# Altium PCB Archimajor.PcbDoc (part 11 of 13) (continued)
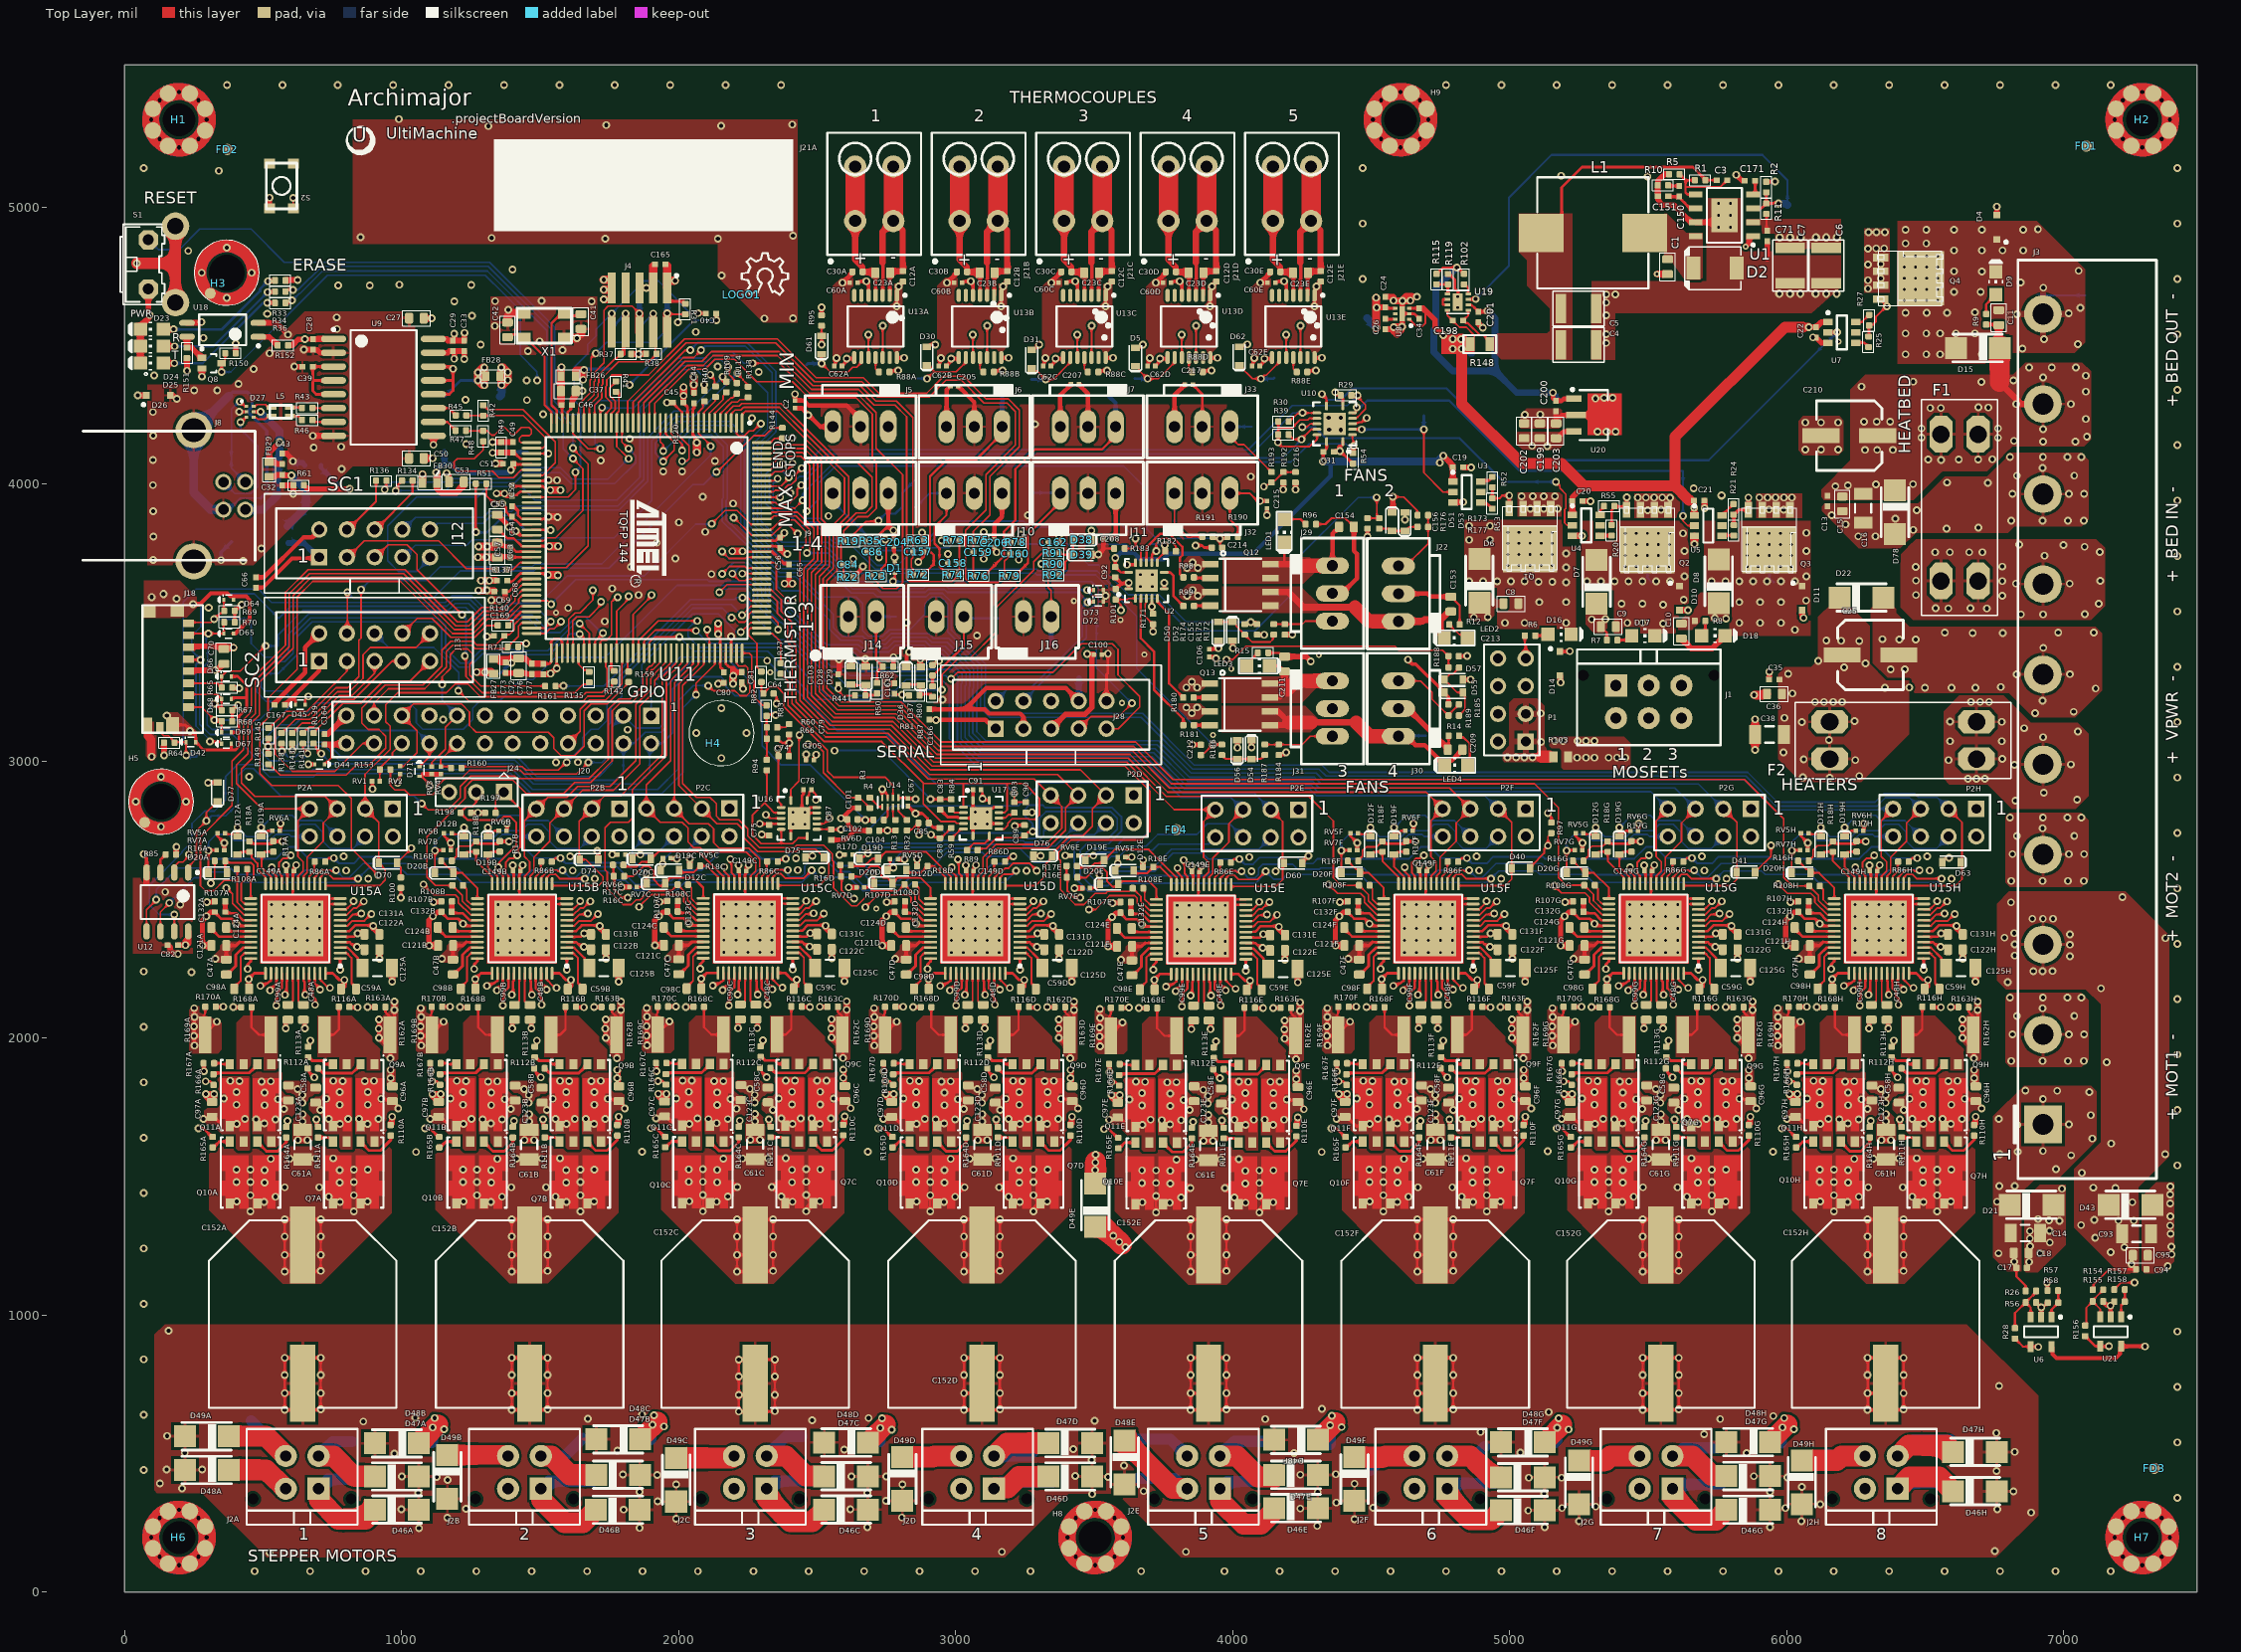
[diagram p0: Top Layer view]
## Polygon pours and split planes (outlines as drawn) (continued)
VMOTA on Top Layer "Direct Connect" (solid, remove dead copper, pour order 2694): 1134.91,1609.38 1122.91,1597.38 1122.91,1380.31 1229.91,1273.31 1389.1,1114.13 1527.71,1114.13 1782.91,1369.33 1782.91,1598.38 1769.91,1611.38
GND on Top Layer "24milConnect" (solid, remove dead copper, pour order 2692): 108.19,928.75 108.19,366.83 117.78,357.24 280.8,357.24 513.24,124.8 3177.72,124.8 3407.82,354.9 3583.32,354.9 3813.42,124.8 6755.58,124.8 6907.68,276.9 6907.68,708.24 6650.28,965.64 145.08,965.64
HTR2 on Top Layer "DirectConnect" (solid, pour order 2601): 5647.12,3866.5 5259.12,3866.5 5259.12,3617.5 5376.69,3617.5 5376.69,3460.02 5647.12,3460.02 5647.12,3867.5
VPWR on Top Layer "DirectConnect" (solid, remove dead copper, pour order 2600): 5608.97,3473.79 5659.17,3473.79 5690.66,3505.29 5779.24,3505.29 5794.01,3520.05 5794.01,3581.08 5766.45,3608.64 5689.68,3608.64 5677.87,3596.83 5677.87,3560.41 5645.39,3527.93 5638.5,3527.93 5608.97,3498.4
GND on Top Layer "Direct Connect" (solid, remove dead copper, pour order 2487): 17 vertices, not listed, extent 2556.69,4440.33 2808.99,4743.26
GND on Top Layer "Direct Connect" (solid, remove dead copper, pour order 2486): 17 vertices, not listed, extent 4070.04,4437.46 4322.34,4740.4
GND on Top Layer "Direct Connect" (solid, remove dead copper, pour order 2485): 17 vertices, not listed, extent 3688.62,4436.89 3940.92,4739.82
GND on Top Layer "Direct Connect" (solid, remove dead copper, pour order 2484): 17 vertices, not listed, extent 3312.66,4438.42 3564.96,4741.35
GND on Top Layer "Direct Connect" (solid, remove dead copper, pour order 2483): 17 vertices, not listed, extent 2933.69,4441.33 3185.99,4744.26
VMOTA on Top Layer "Direct Connect" (solid, remove dead copper, pour order 2481): 317,1607.53 305,1595.53 305,1378.46 412,1271.46 571.18,1112.28 709.8,1112.28 965,1367.48 965,1596.53 952,1609.53
OBAA on Top Layer "Direct Connect" (solid, remove dead copper, pour order 2473): 17 vertices, not listed, extent 832,1593.53 986,1878.53
OBAH on Top Layer "Direct Connect" (solid, remove dead copper, pour order 2472): 17 vertices, not listed, extent 6547.57,1593.53 6701.57,1878.53
OBAG on Top Layer "Direct Connect" (solid, remove dead copper, pour order 2471): 17 vertices, not listed, extent 5734.57,1593.53 5888.57,1878.53
OBAF on Top Layer "Direct Connect" (solid, remove dead copper, pour order 2470): 17 vertices, not listed, extent 4921.57,1593.53 5075.57,1878.53
OBAC on Top Layer "Direct Connect" (solid, remove dead copper, pour order 2469): 17 vertices, not listed, extent 2465.18,1594.49 2619.18,1879.49
OBAE on Top Layer "Direct Connect" (solid, remove dead copper, pour order 2468): 17 vertices, not listed, extent 4101.01,1590.55 4255.01,1875.55
OBAD on Top Layer "Direct Connect" (solid, remove dead copper, pour order 2467): 17 vertices, not listed, extent 3285.74,1593.53 3439.74,1878.53
OBAB on Top Layer "Direct Connect" (solid, remove dead copper, pour order 2466): 17 vertices, not listed, extent 1649.91,1593.53 1803.91,1878.53
OBBA on Top Layer "Direct Connect" (solid, remove dead copper, pour order 2465): 823.52,1860.37 823.52,1597.53 782,1597.53 703.52,1676.01 703.52,1703.53 702.52,1704.53 666.69,1740.35 666.69,1797.7 672.52,1803.53 704.52,1803.53 713.52,1812.53 713.52,1860.53
OBBH on Top Layer "Direct Connect" (solid, remove dead copper, pour order 2464): 6539.09,1860.37 6539.09,1597.53 6497.57,1597.53 6419.09,1676.01 6419.09,1703.53 6418.09,1704.53 6382.26,1740.35 6382.26,1797.7 6388.09,1803.53 6420.09,1803.53 6429.09,1812.53 6429.09,1860.53
OBBG on Top Layer "Direct Connect" (solid, remove dead copper, pour order 2463): 5726.09,1860.37 5726.09,1597.53 5684.57,1597.53 5606.09,1676.01 5606.09,1703.53 5605.09,1704.53 5569.26,1740.35 5569.26,1797.7 5575.09,1803.53 5607.09,1803.53 5616.09,1812.53 5616.09,1860.53
OBBF on Top Layer "Direct Connect" (solid, remove dead copper, pour order 2462): 4913.09,1860.37 4913.09,1597.53 4871.57,1597.53 4793.09,1676.01 4793.09,1703.53 4792.09,1704.53 4756.26,1740.35 4756.26,1797.7 4762.09,1803.53 4794.09,1803.53 4803.09,1812.53 4803.09,1860.53
OBBC on Top Layer "Direct Connect" (solid, remove dead copper, pour order 2461): 2456.7,1861.33 2456.7,1598.49 2415.18,1598.49 2336.7,1676.97 2336.7,1704.49 2335.7,1705.49 2299.88,1741.31 2299.88,1798.66 2305.7,1804.49 2337.7,1804.49 2346.7,1813.49 2346.7,1861.49
OBBE on Top Layer "Direct Connect" (solid, remove dead copper, pour order 2460): 4092.53,1857.4 4092.53,1594.55 4051.01,1594.55 3972.53,1673.03 3972.53,1700.55 3971.53,1701.55 3935.7,1737.38 3935.7,1794.72 3941.53,1800.55 3973.53,1800.55 3982.53,1809.55 3982.53,1857.55
OBBD on Top Layer "Direct Connect" (solid, remove dead copper, pour order 2459): 3277.26,1860.37 3277.26,1597.53 3235.74,1597.53 3157.26,1676.01 3157.26,1703.53 3156.26,1704.53 3120.43,1740.35 3120.43,1797.7 3126.26,1803.53 3158.26,1803.53 3167.26,1812.53 3167.26,1860.53
OBBB on Top Layer "Direct Connect" (solid, remove dead copper, pour order 2458): 1641.43,1860.37 1641.43,1597.53 1599.91,1597.53 1521.43,1676.01 1521.43,1703.53 1520.43,1704.53 1484.61,1740.35 1484.61,1797.7 1490.43,1803.53 1522.43,1803.53 1531.43,1812.53 1531.43,1860.53
OAAA on Top Layer "Direct Connect" (solid, remove dead copper, pour order 2457): 459,1877.46 459,1650.53 512,1597.53 559,1597.53 579,1617.53 579,1703.53 580,1704.53 601.83,1704.53 615.83,1718.53 615.83,1797.7 610,1803.53 578,1803.53 569,1812.53 569,1877.61
OAAH on Top Layer "Direct Connect" (solid, remove dead copper, pour order 2456): 6174.57,1877.46 6174.57,1650.53 6227.57,1597.53 6274.57,1597.53 6294.57,1617.53 6294.57,1703.53 6295.57,1704.53 6317.39,1704.53 6331.39,1718.53 6331.39,1797.7 6325.57,1803.53 6293.57,1803.53 6284.57,1812.53 6284.57,1877.61
OAAG on Top Layer "Direct Connect" (solid, remove dead copper, pour order 2455): 5361.57,1877.46 5361.57,1650.53 5414.57,1597.53 5461.57,1597.53 5481.57,1617.53 5481.57,1703.53 5482.57,1704.53 5504.39,1704.53 5518.39,1718.53 5518.39,1797.7 5512.57,1803.53 5480.57,1803.53 5471.57,1812.53 5471.57,1877.61
OAAF on Top Layer "Direct Connect" (solid, remove dead copper, pour order 2454): 4548.57,1877.46 4548.57,1650.53 4601.57,1597.53 4648.57,1597.53 4668.57,1617.53 4668.57,1703.53 4669.57,1704.53 4691.39,1704.53 4705.39,1718.53 4705.39,1797.7 4699.57,1803.53 4667.57,1803.53 4658.57,1812.53 4658.57,1877.61
OAAC on Top Layer "Direct Connect" (solid, remove dead copper, pour order 2453): 2092.18,1878.41 2092.18,1651.49 2145.18,1598.49 2192.18,1598.49 2212.18,1618.49 2212.18,1704.49 2213.18,1705.49 2235.01,1705.49 2249.01,1719.49 2249.01,1798.66 2243.18,1804.49 2211.18,1804.49 2202.18,1813.49 2202.18,1878.57
OAAE on Top Layer "Direct Connect" (solid, remove dead copper, pour order 2452): 3728.01,1874.48 3728.01,1647.55 3781.01,1594.55 3828.01,1594.55 3848.01,1614.55 3848.01,1700.55 3849.01,1701.55 3870.84,1701.55 3884.84,1715.55 3884.84,1794.72 3879.01,1800.55 3847.01,1800.55 3838.01,1809.55 3838.01,1874.63
OAAD on Top Layer "Direct Connect" (solid, remove dead copper, pour order 2451): 2912.74,1877.46 2912.74,1650.53 2965.74,1597.53 3012.74,1597.53 3032.74,1617.53 3032.74,1703.53 3033.74,1704.53 3055.57,1704.53 3069.57,1718.53 3069.57,1797.7 3063.74,1803.53 3031.74,1803.53 3022.74,1812.53 3022.74,1877.61
OAAB on Top Layer "Direct Connect" (solid, remove dead copper, pour order 2450): 1276.91,1877.46 1276.91,1650.53 1329.91,1597.53 1376.91,1597.53 1396.91,1617.53 1396.91,1703.53 1397.91,1704.53 1419.74,1704.53 1433.74,1718.53 1433.74,1797.7 1427.91,1803.53 1395.91,1803.53 1386.91,1812.53 1386.91,1877.61
OABA on Top Layer "Direct Connect" (solid, remove dead copper, pour order 2449): 452,1860.53 339,1860.53 336,1857.53 336,1755.53 328,1747.53 298.9,1747.53 288,1736.63 288,1698.53 297,1689.53 324.9,1689.53 333,1681.42 333,1670.53 410,1593.53 450,1593.53 452,1595.53
OABH on Top Layer "Direct Connect" (solid, remove dead copper, pour order 2448): 6167.57,1860.53 6054.57,1860.53 6051.57,1857.53 6051.57,1755.53 6043.57,1747.53 6014.46,1747.53 6003.57,1736.63 6003.57,1698.53 6012.57,1689.53 6040.46,1689.53 6048.57,1681.42 6048.57,1670.53 6125.57,1593.53 6165.57,1593.53 6167.57,1595.53
OABG on Top Layer "Direct Connect" (solid, remove dead copper, pour order 2447): 5354.57,1860.53 5241.57,1860.53 5238.57,1857.53 5238.57,1755.53 5230.57,1747.53 5201.46,1747.53 5190.57,1736.63 5190.57,1698.53 5199.57,1689.53 5227.46,1689.53 5235.57,1681.42 5235.57,1670.53 5312.57,1593.53 5352.57,1593.53 5354.57,1595.53
OABF on Top Layer "Direct Connect" (solid, remove dead copper, pour order 2446): 4541.57,1860.53 4428.57,1860.53 4425.57,1857.53 4425.57,1755.53 4417.57,1747.53 4388.46,1747.53 4377.57,1736.63 4377.57,1698.53 4386.57,1689.53 4414.46,1689.53 4422.57,1681.42 4422.57,1670.53 4499.57,1593.53 4539.57,1593.53 4541.57,1595.53
OABC on Top Layer "Direct Connect" (solid, remove dead copper, pour order 2445): 2085.18,1861.49 1972.18,1861.49 1969.18,1858.49 1969.18,1756.49 1961.18,1748.49 1932.08,1748.49 1921.18,1737.59 1921.18,1699.49 1930.18,1690.49 1958.08,1690.49 1966.18,1682.38 1966.18,1671.49 2043.18,1594.49 2083.18,1594.49 2085.18,1596.49
OABE on Top Layer "Direct Connect" (solid, remove dead copper, pour order 2444): 3721.01,1857.55 3608.01,1857.55 3605.01,1854.55 3605.01,1752.55 3597.01,1744.55 3567.91,1744.55 3557.01,1733.65 3557.01,1695.55 3566.01,1686.55 3593.91,1686.55 3602.01,1678.45 3602.01,1667.55 3679.01,1590.55 3719.01,1590.55 3721.01,1592.55
OABD on Top Layer "Direct Connect" (solid, remove dead copper, pour order 2443): 2905.74,1860.53 2792.74,1860.53 2789.74,1857.53 2789.74,1755.53 2781.74,1747.53 2752.64,1747.53 2741.74,1736.63 2741.74,1698.53 2750.74,1689.53 2778.64,1689.53 2786.74,1681.42 2786.74,1670.53 2863.74,1593.53 2903.74,1593.53 2905.74,1595.53
OABB on Top Layer "Direct Connect" (solid, remove dead copper, pour order 2442): 1269.91,1860.53 1156.91,1860.53 1153.91,1857.53 1153.91,1755.53 1145.91,1747.53 1116.81,1747.53 1105.91,1736.63 1105.91,1698.53 1114.91,1689.53 1142.81,1689.53 1150.91,1681.42 1150.91,1670.53 1227.91,1593.53 1267.91,1593.53 1269.91,1595.53
NetQ9A_1 on Top Layer "Direct Connect" (solid, remove dead copper, pour order 2420): 895,2004.53 895,1987.53 924,1958.53 924,1883.53 706,1883.53 697,1892.53 697,2079.53 820,2079.53
NetQ9H_1 on Top Layer "Direct Connect" (solid, remove dead copper, pour order 2419): 6610.57,2004.53 6610.57,1987.53 6639.57,1958.53 6639.57,1883.53 6421.57,1883.53 6412.57,1892.53 6412.57,2079.53 6535.57,2079.53
NetQ9G_1 on Top Layer "Direct Connect" (solid, remove dead copper, pour order 2418): 5797.57,2004.53 5797.57,1987.53 5826.57,1958.53 5826.57,1883.53 5608.57,1883.53 5599.57,1892.53 5599.57,2079.53 5722.57,2079.53
NetQ9F_1 on Top Layer "Direct Connect" (solid, remove dead copper, pour order 2417): 4984.57,2004.53 4984.57,1987.53 5013.57,1958.53 5013.57,1883.53 4795.57,1883.53 4786.57,1892.53 4786.57,2079.53 4909.57,2079.53
NetQ9E_1 on Top Layer "Direct Connect" (solid, remove dead copper, pour order 2416): 4164.01,2001.55 4164.01,1984.55 4193.01,1955.55 4193.01,1880.55 3975.01,1880.55 3966.01,1889.55 3966.01,2076.55 4089.01,2076.55
NetQ9C_1 on Top Layer "Direct Connect" (solid, remove dead copper, pour order 2415): 2528.18,2005.49 2528.18,1988.49 2557.18,1959.49 2557.18,1884.49 2339.18,1884.49 2330.18,1893.49 2330.18,2080.49 2453.18,2080.49
NetQ9D_1 on Top Layer "Direct Connect" (solid, remove dead copper, pour order 2414): 3348.74,2004.53 3348.74,1987.53 3377.74,1958.53 3377.74,1883.53 3159.74,1883.53 3150.74,1892.53 3150.74,2079.53 3273.74,2079.53
NetQ9B_1 on Top Layer "Direct Connect" (solid, remove dead copper, pour order 2413): 1712.91,2004.53 1712.91,1987.53 1741.91,1958.53 1741.91,1883.53 1523.91,1883.53 1514.91,1892.53 1514.91,2079.53 1637.91,2079.53
NetQ11A_1 on Top Layer "Direct Connect" (solid, remove dead copper, pour order 2412): 405,1883.53 544,1883.53 553,1892.53 553,2079.53 430,2079.53 405,2054.53
NetQ11H_1 on Top Layer "Direct Connect" (solid, remove dead copper, pour order 2411): 6120.57,1883.53 6259.57,1883.53 6268.57,1892.53 6268.57,2079.53 6145.57,2079.53 6120.57,2054.53
NetQ11G_1 on Top Layer "Direct Connect" (solid, remove dead copper, pour order 2410): 5307.57,1883.53 5446.57,1883.53 5455.57,1892.53 5455.57,2079.53 5332.57,2079.53 5307.57,2054.53
NetQ11F_1 on Top Layer "Direct Connect" (solid, remove dead copper, pour order 2409): 4494.57,1883.53 4633.57,1883.53 4642.57,1892.53 4642.57,2079.53 4519.57,2079.53 4494.57,2054.53
NetQ11C_1 on Top Layer "Direct Connect" (solid, remove dead copper, pour order 2408): 2038.18,1884.49 2177.18,1884.49 2186.18,1893.49 2186.18,2080.49 2063.18,2080.49 2038.18,2055.49
NetQ11E_1 on Top Layer "Direct Connect" (solid, remove dead copper, pour order 2407): 3674.01,1880.55 3813.01,1880.55 3822.01,1889.55 3822.01,2076.55 3699.01,2076.55 3674.01,2051.55
NetQ11D_1 on Top Layer "Direct Connect" (solid, remove dead copper, pour order 2406): 2858.74,1883.53 2997.74,1883.53 3006.74,1892.53 3006.74,2079.53 2883.74,2079.53 2858.74,2054.53
NetQ11B_1 on Top Layer "Direct Connect" (solid, remove dead copper, pour order 2405): 1222.91,1883.53 1361.91,1883.53 1370.91,1892.53 1370.91,2079.53 1247.91,2079.53 1222.91,2054.53
GND on Top Layer "uC Top Under Part" (solid, pour order 2354): 1525.23,3444.54 2245.04,3444.78 2245.04,4164.49 1525.23,4164.59
GND on Top Layer "12MHz XTAL GND" (solid, pour order 2349): 1321.76,4677.42 1321.76,4466.1 1418.13,4466.1 1706.37,4466.1 1706.37,4561.59 1706.37,4676.54 1321.76,4676.54
HTBD-OUT on Top Layer "DirectConnect" (solid, pour order 2331): 6401,4433 6739.88,4433 6739.88,4542.25 6829.44,4542.25 6829.44,4948.97 6401,4948.97 6401,4906.97
HTR3 on Top Layer "DirectConnect" (solid, pour order 2330): 6086.11,3866.5 5827.11,3866.5 5701.11,3866.5 5701.11,3623.5 5794.01,3623.5 5794.01,3452.14 6086.11,3452.14
USB_GND on Top Layer "USB Shield" (solid, pour order 2328): 466,3706.53 824,4064.53 1035,4064.53 1048,4077.53 1048,4083.53 1048,4610.53 1036,4622.53 650.83,4622.53 385.83,4357.53 83,4357.53 83,4153.53 83,3706.53
GND on Top Layer "FlashGND" (solid, remove dead copper, pour order 2327): 31.72,2577.59 247.27,2577.59 247.27,2304.95 31.72,2304.95
HTBD-OUT on Top Layer "Connect" (solid, remove dead copper, pour order 2610): 6802.7,4473.83 7040.28,4473.83 7077.47,4511.02 7077.48,4774.53 6903.04,4948.97 6803.85,4948.97
GND on Top Layer "DirectConnect" (solid, remove dead copper, pour order 2690): 2428.92,4582.25 2428.92,5315.7 825.24,5315.7 825.24,4866.95 2141.88,4866.95 2141.88,4745.27 2304.9,4582.25
GND on Top Layer "DirectConnect" (solid, remove dead copper, pour order 2670): 6042.66,4120.49 6059.04,4104.11 6186.96,4104.11 6204.9,4122.05 6204.9,4229.69 6190.08,4244.51 6059.04,4244.51 6042.66,4228.13
VMOTE on Top Layer "DirectConnect" (solid, remove dead copper, pour order 2668): 6745.44,1717.31 6855.42,1827.29 7098,1827.29 7117.5,1807.79 7117.5,1629.17 6978.66,1490.33 6895.2,1490.33 6838.26,1433.39 6772.74,1433.39 6745.44,1460.69
VMOTA on Top Layer "DirectConnect" (solid, remove dead copper, pour order 2666): 17 vertices, not listed, extent 6758.7,1148.69 7380.36,2529.29
GND on Top Layer "DirectConnect" (solid, remove dead copper, pour order 2664): 6126.9,3919.25 6137.04,3929.39 6474,3929.39 6570.72,4026.11 6723.6,4026.11 6794.58,4097.09 6803.94,4087.73 6803.94,3884.93 6827.34,3861.53 6827.34,3852.17 6799.26,3824.09 6466.2,3824.09 6410.04,3767.93 6261.06,3767.93 6126.9,3902.09
VBED on Top Layer "DirectConnect" (solid, remove dead copper, pour order 2660): 18 vertices, not listed, extent 6125.34,3941.87 7098,4437.95
VPWR on Top Layer "DirectConnect" (solid, remove dead copper, pour order 2658): 5025.12,4143.5 5046.12,4122.5 5175.12,4122.5 5194.12,4141.5 5194.12,4180.5 5187.12,4187.5 5029.12,4187.5 5025.12,4183.5
GND on Top Layer "DirectConnect" (solid, remove dead copper, pour order 2654): 6789.9,3862.05 6805.5,3846.45 7065.24,3846.45 7090.2,3871.41 7090.2,4085.91 7062.9,4113.21 6804.72,4113.21 6789.9,4098.39
GND on Top Layer "DirectConnect" (solid, remove dead copper, pour order 2650): 6789.9,1911.27 6805.5,1895.67 7065.24,1895.67 7090.2,1920.63 7090.2,2135.13 7062.9,2162.43 6804.72,2162.43 6789.9,2147.61
GND on Top Layer "DirectConnect" (solid, remove dead copper, pour order 2648): 6789.9,2561.27 6805.5,2545.67 7065.24,2545.67 7090.2,2570.63 7090.2,2785.13 7062.9,2812.43 6804.72,2812.43 6789.9,2797.61
VBED_IN on Top Layer "NetF1_1 Fuse Top Pour" (solid, remove dead copper, pour order 2642): 6411.6,3686.81 6411.6,3553.43 6456.06,3508.97 7098.78,3508.97 7148.7,3558.89 7148.7,3768.71 7116.72,3800.69 6466.2,3800.69 6412.38,3746.87
VPWR_IN on Top Layer "DirectConnect" (solid, remove dead copper, pour order 2634): 6566.82,3179.03 6623.76,3235.97 6782.88,3235.97 6881.16,3137.69 7049.64,3137.69 7089.42,3097.91 7089.42,2873.27 7042.62,2826.47 6814.08,2826.47 6725.16,2915.39 6587.1,2915.39 6566.82,2935.67
GND on Top Layer "DirectConnect" (solid, remove dead copper, pour order 2632): 18 vertices, not listed, extent 6304.13,3157.19 7137.78,3573.82
VPWR on Top Layer "DirectConnect" (solid, remove dead copper, pour order 2630): 6269.64,2924.75 6442.02,3097.13 6442.02,3290.57 6359.34,3290.57 6299.28,3350.63 6299.28,3488.12 6216.54,3570.87 6164.37,3570.87 6113.64,3520.14 6113.64,3364.67 6087.12,3338.15 5993.52,3338.15 5969.34,3313.97 5969.34,3007.43 6052.02,2924.75
GND on Top Layer "DirectConnect" (solid, remove dead copper, pour order 2628): 3807.85,3681.21 3885.85,3681.21 3906.91,3702.27 3906.91,3713.97 3881.95,3738.93 3839.05,3738.93 3807.85,3707.73
GND on Top Layer "DirectConnect" (solid, remove dead copper, pour order 2626): 3807.85,3581.21 3885.85,3581.21 3906.91,3602.27 3906.91,3613.97 3881.95,3638.93 3839.05,3638.93 3807.85,3607.73
GND on Top Layer "DirectConnect" (solid, remove dead copper, pour order 2624): 3805.38,3250.06 3883.38,3250.06 3904.44,3271.12 3904.44,3282.82 3879.48,3307.78 3836.58,3307.78 3805.38,3276.58
GND on Top Layer "DirectConnect" (solid, remove dead copper, pour order 2622): 3805.38,3208.21 3883.38,3208.21 3904.44,3187.15 3904.44,3175.45 3879.48,3150.49 3836.58,3150.49 3805.38,3181.69
GND on Top Layer "Direct Connect" (solid, remove dead copper, pour order 2364): 71,3651.53 200,3651.53 260,3591.53 260,3554.53 222.45,3516.98 71,3516.98
VMOTA on Top Layer "DirectConnect" (solid, remove dead copper, pour order 2618): 7210.08,1475.05 7272.48,1412.65 7272.48,1159.93 7265.46,1152.91 7217.1,1152.91 7093.86,1276.15 7093.86,1475.05
VMOTE on Top Layer "DirectConnect" (solid, remove dead copper, pour order 2620): 6821.64,1485.97 6846.6,1461.01 6846.6,1157.59 6795.9,1157.59 6745.2,1208.29 6745.2,1485.97
GND on Top Layer "DirectConnect" (solid, remove dead copper, pour order 2614): 7398.06,1478.95 7398.06,1194.25 7354.38,1150.57 7291.98,1150.57 7281.06,1161.49 7281.06,1425.91 7334.1,1478.95
GND on Top Layer "DirectConnect" (solid, remove dead copper, pour order 2616): 7006.5,1470.37 7006.5,1253.53 6907.44,1154.47 6863.76,1154.47 6858.3,1159.93 6858.3,1414.21 6914.46,1470.37
VPWR on Top Layer "Solid" (solid, pour order 2360): 5958.83,4835.5 5958.83,4904.45 5910.6,4904.45 5910.6,4933.98 5854.5,4933.98 5854.5,4955.63 6196.03,4955.63 6196.03,4835.5
GND on Top Layer "DirectConnect" (solid, remove dead copper, pour order 2612): 5039.12,4199.5 5178.12,4199.5 5188.12,4209.5 5188.12,4266.5 5182.12,4272.5 5061.12,4272.5 5039.12,4250.5
GND on Top Layer "Solid" (solid, pour order 2359): 5295.63,4731.22 5710.79,4731.22 5710.79,5031.42 5839.73,5031.42 5839.73,4839.49 6196.03,4839.49 6196.03,4710.75 6090.17,4617.24 5381.07,4617.24 5381.07,4448.74 5294.49,4448.74
GND on Top Layer "DirectConnect" (solid, pour order 2337): 6371,4921.94 6280,4921.94 6280,4689.97 6371,4689.97
VPWR on Top Layer "DirectConnect" (solid, remove dead copper, pour order 2608): 4853.07,3609.62 4853.07,3517.1 4864.88,3505.29 4924.92,3505.29 4964.29,3544.66 4977.75,3544.66 4986.61,3553.52 4986.61,3580.41 4980.03,3586.98 4951.49,3586.98 4928.85,3609.62
VFAN on Top Layer "24milConnect" (solid, remove dead copper, pour order 2607): 5161.14,3031.87 5147.36,3031.87 5125.7,3053.52 5125.7,3199.19 5099.13,3225.76 5014.48,3225.76 4998.74,3210.02 4998.74,3054.5 4974.13,3029.9 4974.13,3002.34 4980.03,2996.43 5149.33,2996.43 5161.14,3008.24
VPWR on Top Layer "Direct Connect" (solid, remove dead copper, pour order 2606): 5421.96,2968.87 5436.73,2983.64 5436.73,3064.35 5413.11,3087.97 5155.23,3087.97 5144.4,3077.14 5144.4,3052.53 5151.29,3045.64 5178.85,3045.64 5186.73,3037.77 5186.73,2976.75 5194.6,2968.87
VPWR on Top Layer "DirectConnect" (solid, remove dead copper, pour order 2599): 5274.33,3598.79 5274.33,3492.6 5303.85,3463.07 5336.81,3463.07 5352.08,3478.34 5352.08,3585.01 5338.3,3598.79
HTR1 on Top Layer "DirectConnect" (solid, pour order 2329): 5191.12,3870.5 4836.12,3870.5 4836.12,3625.5 4954.44,3625.5 4954.44,3476.75 5239.12,3476.75 5239.12,3773.5 5191.12,3773.5
NetC3_2 on Top Layer "DirectConnect" (solid, remove dead copper, pour order 2598): 4935.12,4485.49 4970.44,4450.17 5180.82,4450.17 5180.82,4543.68 5168.03,4556.47 5148.34,4556.47 5135.55,4543.68 4954.3,4543.68 4935.12,4524.5
NetC153_2 on Top Layer "Direct Connect" (solid, remove dead copper, pour order 2595): 3962.82,3630.34 3962.82,3534.87 4299.97,3534.87 4310.26,3545.16 4310.26,3565.81 4245.73,3630.34
NetC154_2 on Top Layer "Direct Connect" (solid, remove dead copper, pour order 2596): 3963.8,3735.16 4279.2,3735.16 4306.81,3707.56 4306.81,3691.31 4255.18,3639.69 3963.8,3639.69
GND on Top Layer "DirectConnect" (solid, pour order 2341): 6055.11,3877.5 5890.11,3877.5 5890.11,3965.5 6056.11,3965.5 6056.11,3877.5
GND on Top Layer "Direct Connect" (solid, remove dead copper, pour order 2594): 3414.25,2100.53 3414.25,2134.04 3417.74,2137.53 3438.74,2137.53 3440.74,2135.53 3440.74,2100.53 3440.74,1923.53 3432.74,1915.53 3411.74,1915.53 3386.24,1941.03 3386.9,1969.37 3367.74,1988.53 3367.74,2066.11
GND on Top Layer "Direct Connect" (solid, remove dead copper, pour order 2593): 2593.7,2101.49 2593.7,2135 2597.18,2138.49 2618.18,2138.49 2620.18,2136.49 2620.18,2101.49 2620.18,1924.49 2612.18,1916.49 2591.18,1916.49 2565.68,1941.99 2566.34,1970.33 2547.18,1989.49 2547.18,2067.07
GND on Top Layer "Direct Connect" (solid, remove dead copper, pour order 2592): 1778.43,2100.53 1778.43,2134.04 1781.91,2137.53 1802.91,2137.53 1804.91,2135.53 1804.91,2100.53 1804.91,1923.53 1796.91,1915.53 1775.91,1915.53 1750.41,1941.03 1751.07,1969.37 1731.91,1988.53 1731.91,2066.11
GND on Top Layer "Direct Connect" (solid, remove dead copper, pour order 2591): 1778.43,2100.53 1778.43,2134.04 1781.91,2137.53 1802.91,2137.53 1804.91,2135.53 1804.91,2100.53 1804.91,1923.53 1796.91,1915.53 1775.91,1915.53 1750.41,1941.03 1751.07,1969.37 1731.91,1988.53 1731.91,2066.11
GND on Top Layer "Direct Connect" (solid, remove dead copper, pour order 2588): 2593.7,2101.49 2593.7,2135 2597.18,2138.49 2618.18,2138.49 2620.18,2136.49 2620.18,2101.49 2620.18,1924.49 2612.18,1916.49 2591.18,1916.49 2565.68,1941.99 2566.34,1970.33 2547.18,1989.49 2547.18,2067.07
GND on Top Layer "Direct Connect" (solid, remove dead copper, pour order 2437): 2241.18,1707.49 2241.18,1628.49 2250.21,1619.46 2300.16,1619.46 2312.18,1631.49 2312.18,1707.49 2281.18,1738.49 2272.18,1738.49
GND on Top Layer "Direct Connect" (solid, remove dead copper, pour order 2434): 1425.91,1706.53 1425.91,1627.53 1434.94,1618.5 1484.89,1618.5 1496.91,1630.53 1496.91,1706.53 1465.91,1737.53 1456.91,1737.53
NetC211_2 on Top Layer "Direct Connect" (solid, remove dead copper, pour order 2590): 3961.33,3304.01 3961.33,3208.54 4248.24,3208.54 4309.76,3270.05 4309.76,3304.01
NetC209_2 on Top Layer "Direct Connect" (solid, remove dead copper, pour order 2589): 3960.35,3199.19 3960.35,3103.72 4280.23,3103.72 4307.79,3131.27 4307.79,3152.93 4261.53,3199.19
GND on Top Layer "Direct Connect" (solid, remove dead copper, pour order 2587): 3414.25,2100.53 3414.25,2134.04 3417.74,2137.53 3438.74,2137.53 3440.74,2135.53 3440.74,2100.53 3440.74,1923.53 3432.74,1915.53 3411.74,1915.53 3386.24,1941.03 3386.9,1969.37 3367.74,1988.53 3367.74,2066.11
GND on Top Layer "Direct Connect" (solid, remove dead copper, pour order 2404): 270,2114.53 270,2092.53 351,2055.53 351,1957.53 338,1944.53 244,1944.53 234,1954.53 234,2101.53 247,2114.53
GND on Top Layer "Direct Connect" (solid, remove dead copper, pour order 2403): 5985.57,2114.53 5985.57,2092.53 6066.57,2055.53 6066.57,1957.53 6053.57,1944.53 5959.57,1944.53 5949.57,1954.53 5949.57,2101.53 5962.57,2114.53
GND on Top Layer "Direct Connect" (solid, remove dead copper, pour order 2402): 5172.57,2114.53 5172.57,2092.53 5253.57,2055.53 5253.57,1957.53 5240.57,1944.53 5146.57,1944.53 5136.57,1954.53 5136.57,2101.53 5149.57,2114.53
GND on Top Layer "Direct Connect" (solid, remove dead copper, pour order 2401): 4359.57,2114.53 4359.57,2092.53 4440.57,2055.53 4440.57,1957.53 4427.57,1944.53 4333.57,1944.53 4323.57,1954.53 4323.57,2101.53 4336.57,2114.53
GND on Top Layer "Direct Connect" (solid, remove dead copper, pour order 2400): 1903.18,2115.49 1903.18,2093.49 1984.18,2056.49 1984.18,1958.49 1971.18,1945.49 1877.18,1945.49 1867.18,1955.49 1867.18,2102.49 1880.18,2115.49
GND on Top Layer "Direct Connect" (solid, remove dead copper, pour order 2399): 2723.74,2114.53 2723.74,2092.53 2804.74,2055.53 2804.74,1957.53 2791.74,1944.53 2697.74,1944.53 2687.74,1954.53 2687.74,2101.53 2700.74,2114.53
GND on Top Layer "Direct Connect" (solid, remove dead copper, pour order 2398): 3539.01,2111.55 3539.01,2089.55 3620.01,2052.55 3620.01,1954.55 3607.01,1941.55 3513.01,1941.55 3503.01,1951.55 3503.01,2098.55 3516.01,2111.55
GND on Top Layer "Direct Connect" (solid, remove dead copper, pour order 2397): 1087.91,2114.53 1087.91,2092.53 1168.91,2055.53 1168.91,1957.53 1155.91,1944.53 1061.91,1944.53 1051.91,1954.53 1051.91,2101.53 1064.91,2114.53
GND on Top Layer "Direct Connect" (solid, remove dead copper, pour order 2396): 960.51,2100.53 960.51,2134.04 964,2137.53 985,2137.53 987,2135.53 987,2100.53 987,1923.53 979,1915.53 958,1915.53 932.5,1941.03 933.16,1969.37 914,1988.53 914,2066.11
GND on Top Layer "Direct Connect" (solid, remove dead copper, pour order 2395): 6676.08,2100.53 6676.08,2134.04 6679.57,2137.53 6700.57,2137.53 6702.57,2135.53 6702.57,2100.53 6702.57,1923.53 6694.57,1915.53 6673.57,1915.53 6648.07,1941.03 6648.73,1969.37 6629.57,1988.53 6629.57,2066.11
GND on Top Layer "Direct Connect" (solid, remove dead copper, pour order 2394): 5863.08,2100.53 5863.08,2134.04 5866.57,2137.53 5887.57,2137.53 5889.57,2135.53 5889.57,2100.53 5889.57,1923.53 5881.57,1915.53 5860.57,1915.53 5835.07,1941.03 5835.73,1969.37 5816.57,1988.53 5816.57,2066.11
GND on Top Layer "Direct Connect" (solid, remove dead copper, pour order 2393): 5050.08,2100.53 5050.08,2134.04 5053.57,2137.53 5074.57,2137.53 5076.57,2135.53 5076.57,2100.53 5076.57,1923.53 5068.57,1915.53 5047.57,1915.53 5022.07,1941.03 5022.73,1969.37 5003.57,1988.53 5003.57,2066.11
GND on Top Layer "Direct Connect" (solid, remove dead copper, pour order 2392): 4229.52,2097.55 4229.52,2131.06 4233.01,2134.55 4254.01,2134.55 4256.01,2132.55 4256.01,2097.55 4256.01,1920.55 4248.01,1912.55 4227.01,1912.55 4201.51,1938.05 4202.17,1966.39 4183.01,1985.55 4183.01,2063.13
VMOTA on Top Layer "Direct Connect" (solid, remove dead copper, pour order 2386): 1957.18,2272.49 2009.18,2272.49 2019.18,2282.49 2019.18,2311.49 2048.44,2340.74 2048.44,2349.49 1994.18,2349.49 1979.18,2334.49 1979.18,2322.49 1957.18,2300.49
GND on Top Layer "Direct Connect" (solid, remove dead copper, pour order 2429): 17 vertices, not listed, extent 2206.18,1757.49 2343.18,1846.49
GND on Top Layer "Direct Connect" (solid, remove dead copper, pour order 2421): 4248.12,1820.55 4248.12,1883.55 4238.12,1893.55 4223.12,1893.55 4216.12,1886.55 4216.12,1823.55 4219.12,1820.55
VMOTE on Top Layer "Direct Connect" (solid, remove dead copper, pour order 2385): 3593.01,2268.55 3645.01,2268.55 3655.01,2278.55 3655.01,2307.55 3684.26,2336.8 3684.26,2345.55 3630.01,2345.55 3615.01,2330.55 3615.01,2318.55 3593.01,2296.55
GND on Top Layer "Direct Connect" (solid, remove dead copper, pour order 2428): 17 vertices, not listed, extent 3842.01,1753.55 3979.01,1842.55